# Altium PCB SPG_300.PcbDoc (part 5 of 7)
Units mil, origin at the board's own origin, x right, y up, seen from the top; angles counter-clockwise.
Board outline 7834.65 x 4330.71 mil, 4 copper layers (Top, Route2-SIG, Route3-GND, Bottom), stack 67.156 mil thick; 659 components, 376 nets, 2304 pads, 665 vias.
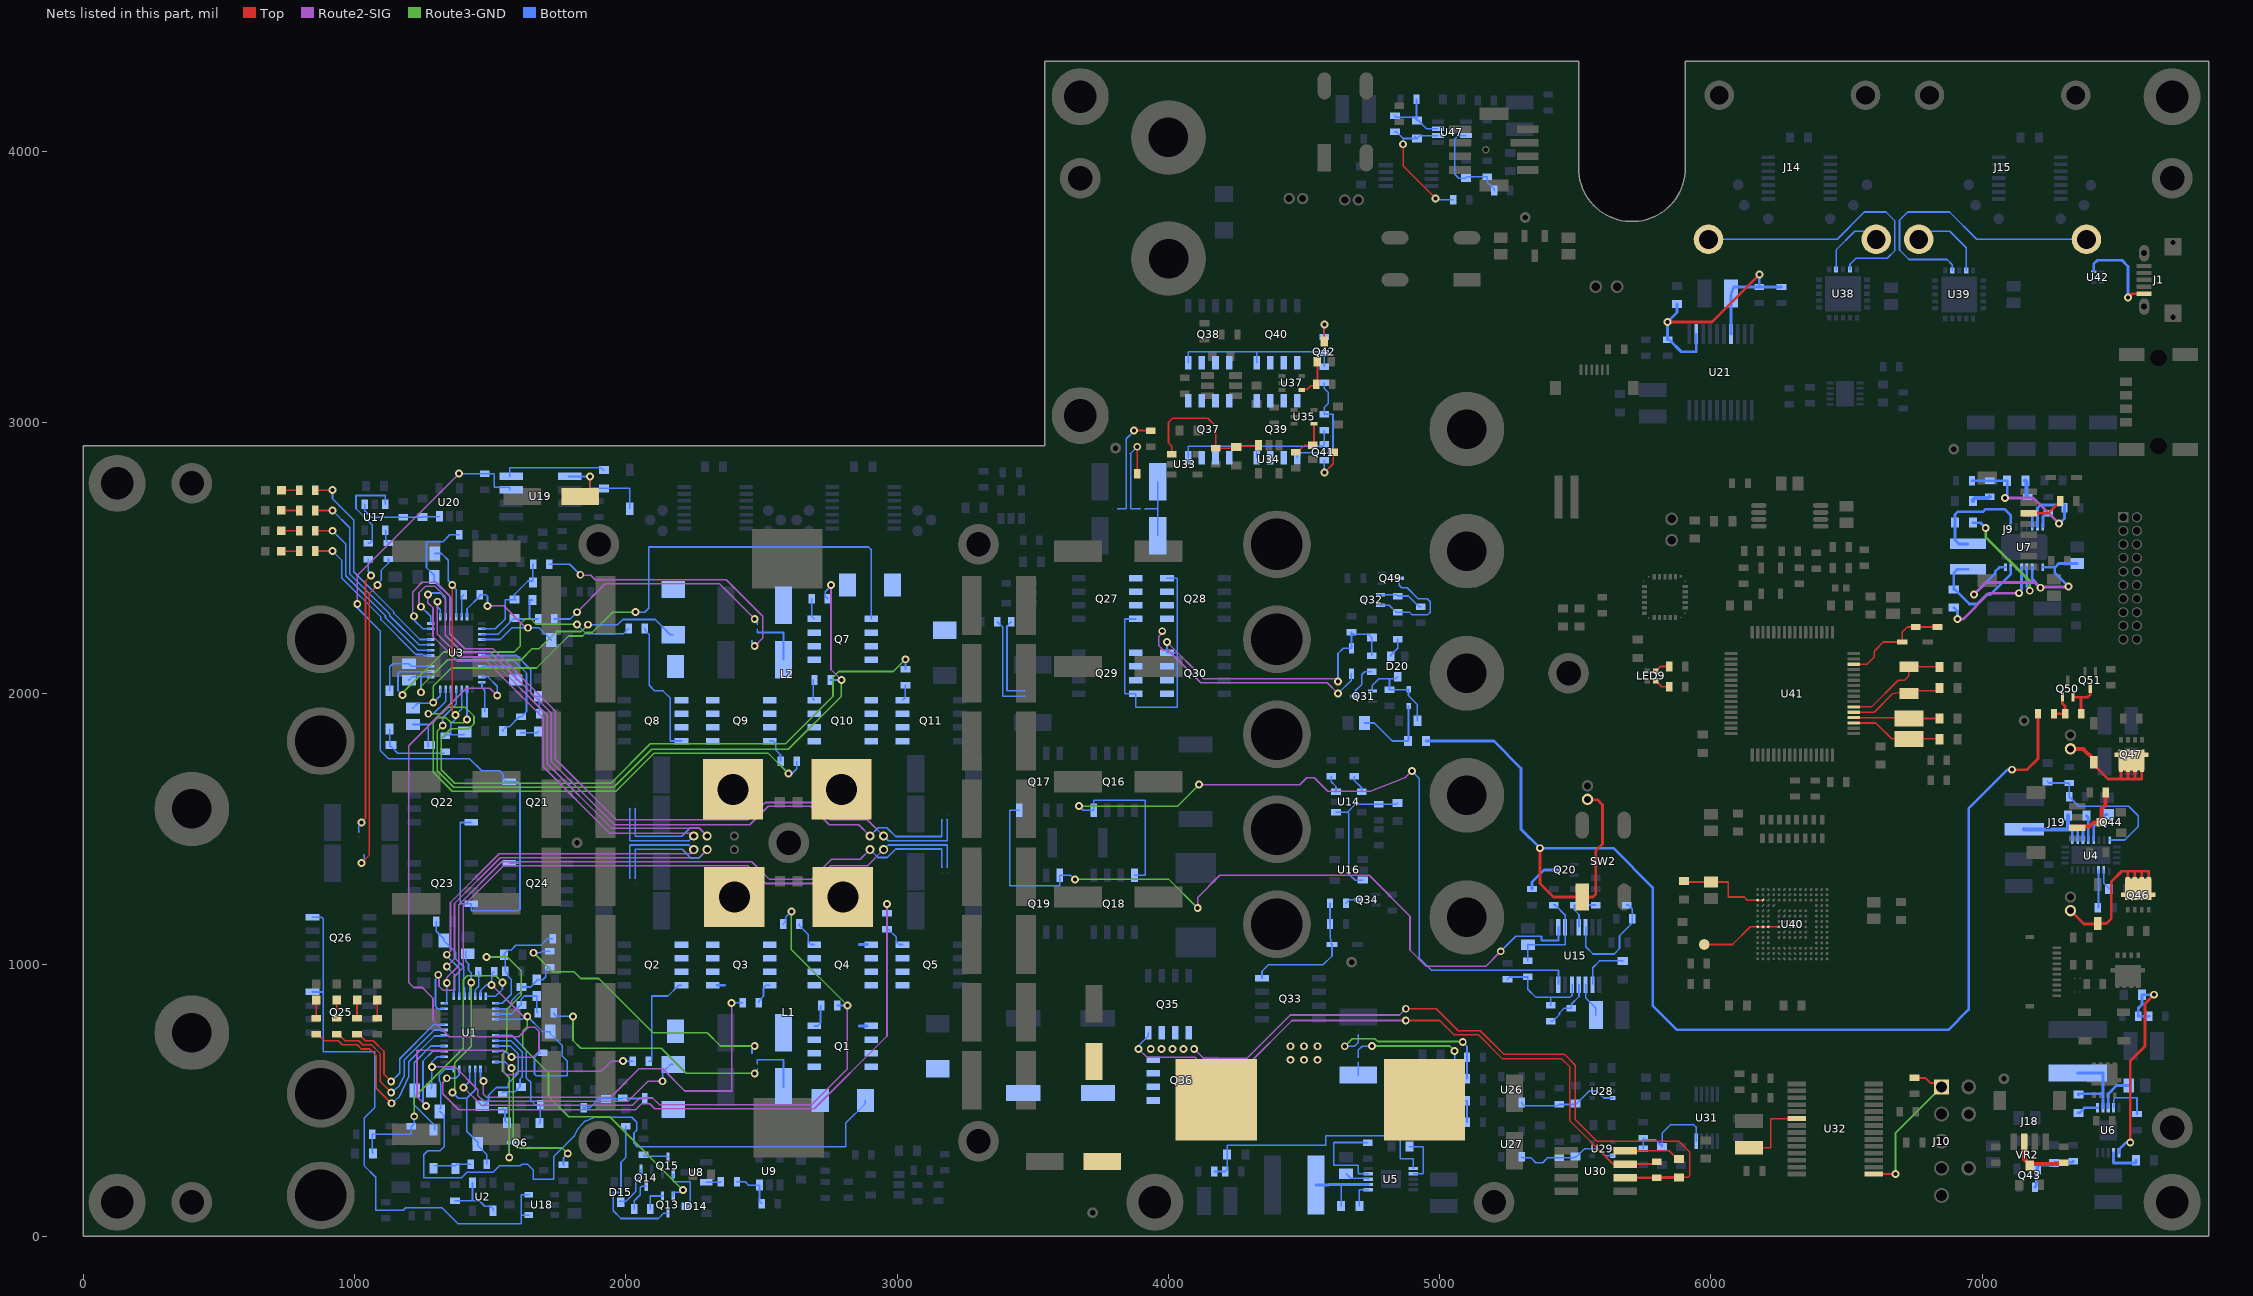
[diagram p7: the nets of this part, all layers, seen from the top]

## Via types
v1: diameter 29, hole 15, Top to Bottom, tented both sides, 469 vias
v2: diameter 29/29/29/29 (per signal layer), hole 15, Top to Bottom, tented both sides, 168 vias
v3: diameter 34/34/34/34 (per signal layer), hole 20, Top to Bottom, 14 vias
v4: diameter 60/52.5/52.5/60 (per signal layer), hole 35, Top to Bottom, 13 vias
v5: diameter 55, hole 35, Top to Bottom, 1 vias

## Nets (pads, with @x,y where several pads share a name; then routed paths per layer and width w, separated by ;. In a path a pad name is that pad's centre, name@x,y a point inside that pad or via, vN(x,y) a via of type N, cw(c..) or ccw(c..) an arc to the next point about the centre after c; other vN are vias at no path point) (continued)
LIDSW: C188.2 J13.2 R227.2 SW2.1 | length 4868.8
  Top w10: v1(5370,1430) 5370,1300 5420,1250 SW2.1@5525,1250 5565,1250 5575,1260 5575,1420 5600,1445 5600,1590 5580.84,1609.16 5545.69,1609.16 J13.2@5544.84,1610 ; v1(7110,1719.37) 7165,1719.37 7205.47,1759.84 R227.2@7205.47,1925.54
  Bottom w10: C188.2@4950.31,1825 5199.53,1825 5300,1724.53 5300,1500 v1(5370,1430) 5640,1430 5785,1285 5785,850 5874.53,760.47 6875.47,760.47 6950,835 6950,1576.54 7092.83,1719.37 v1(7110,1719.37) ; J13.2@5544.84,1610 J13.2@5553.5,1610
MCLK: U1.10 U3.11 | length 2285.6
  Route2-SIG w6: v1(1525.9,1992.52) 1498.54,2019.88 1412.09,2019.88 1200,1807.79 1200,935 1218.58,916.42 1249.63,916.42 1289.23,876.83 1289.23,795.24 1349.47,735 1605,735 1640,770 1665,770 1680,755 1680,682.62 1657.38,660 v2(1578.38,660)
  Bottom w6: U3.11@1469.45,2061.42 1491.81,2061.42 1525.9,2027.32 v1(1525.9,1992.52) ; U1.10@1519.45,681.1 1557.28,681.1 v2(1578.38,660)
MIADJ: C27.1 R33.2 R34.1 U1.38 | length 1123
  Route3-GND w6: v1(1219.84,441.73) 1219.84,512.42 1400.46,693.04 1400.46,945 1415.59,960.12 1519.9,960.12 v2(1545.03,935)
  Bottom w6: C27.1@1068.46,305 1064.53,308.94 R34.1@1064.53,375 1206.08,375 1209.01,377.93 R33.2@1209.01,405.28 1210.53,405.28 1219.84,414.59 v1(1219.84,441.73) ; U1.38@1484.01,883.86 1519.45,883.86 1545.03,909.44 v2(1545.03,935)
MLDO33: C28.1 Q13.2 R20.1 R22.2 U1.4 U1.37 | length 1964.2
  Route2-SIG w6: v2(1505,926.42) 1621.3,810.12 v2(1636.69,810.12)
  Route3-GND w6: v2(1636.69,810.12) 1636.69,771.73 1620,755.03 1620,697.34 1645.65,671.69 1715,602.34 1715,514.65 1789.53,440.12 1940.19,440.12 v1(2209.96,170.35)
  Bottom w6: U1.37@1464.33,883.86 1464.33,904.47 1486.27,926.42 v2(1505,926.42) 1505,965.52 R22.2@1514.48,975 ; U1.4@1519.45,799.21 1619.29,799.21 1630.2,810.12 v2(1636.69,810.12) 1692.81,754 C28.1@1721.49,754 1721.49,748.03 1720.71,747.24 1764.96,702.99 1764.96,664.04 1783.41,645.59 1783.41,591.53 1668.45,591.53 1663,596.98 1663,658.69 1678.83,674.53 R20.1@1684.74,674.53 ; Q13.2@2174.68,148.03 2174.68,158.86 2178.09,162.26 2201.87,162.26 v1(2209.96,170.35)
MSHDN: C19.1 Q6.3 R16.1 R21.2 U1.1 | length 1442.9
  Route3-GND w6: v1(1485.62,1028.74) 1486.54,1029.65 1561.8,1029.65 1614.96,976.5 1614.96,890.08 1560.54,835.66 1560.54,685 1544.42,668.89 1544.42,610 1570.19,584.23 v1(1570.19,290)
  Bottom w6: v1(1485.62,1028.74) 1542.73,1028.74 C19.1@1551.49,1037.5 ; U1.1@1519.45,858.27 1544.27,858.27 1578,892 1578,946 1564.74,959.26 1564.74,965.69 R21.2@1555.43,977 1555.43,1033.56 C19.1@1551.49,1037.5 ; v1(1570.19,290) 1570.19,341.59 1573.6,345 Q6.3@1578.5,345 ; R16.1@1730.47,1095.91 1710.91,1095.91 1686.92,1071.92 1594.61,1071.92 1576.39,1053.7 1563.76,1053.7 1551.49,1041.44 C19.1@1551.49,1037.5
NetC14_1: C14.1 D5.C U1.23 | length 416.3
  Bottom w6: D5.C@1294.96,390.87 1294.96,407.54 1219.45,483.06 1219.45,545 1219.45,639.45 1280.79,700.79 U1.23@1330.47,700.79
NetC14_2: C14.2 D1.A D2.C L1.2 Q2.S1 Q2.S2 Q2.S3 Q3.D1 Q3.D2 Q3.D3 Q3.D4 U1.21 | length 1183.1
  Route2-SIG w6: v1(1285,623.82) 1370.72,623.82 1454.54,540 1454.54,518.12 1475.66,497 2007.68,497 2081.29,570.62 2135,570.62 v1(2135.27,570.89)
  Bottom w6: C14.2@1280.47,545 1285,549.53 v1(1285,623.82) 1285,641.73 1304.68,661.42 U1.21@1330.47,661.42 ; v1(2135.27,570.89) 2135.27,603.68 2164.66,633.07 D2.C@2174.96,633.07
NetC15_1: C15.1 C18.2 R12.2 U1.3 | length 255.8
  Bottom w6: U1.3@1519.45,818.9 1578.38,818.9 1611.02,851.54 C18.2@1614.96,851.54 1614.48,852.01 1614.48,873.8 1625.69,885 C15.1@1671.49,885 1671.49,827.95 R12.2@1675.43,824.02
NetC16_2: C16.2 D3.A D4.C L1.1 Q1.D1 Q1.D2 Q1.D3 Q1.D4 Q4.D1 Q4.D2 Q4.D3 Q4.D4 Q5.S1 Q5.S2 Q5.S3 U1.19 | length 2568.6
  Bottom w6: C16.2@1314.45,460 1329.96,444.49 1329.96,330 1314.96,315 1269.96,315 1254.96,300 1254.96,215 1394.33,215 1414.33,235 1510.39,235 1534.52,259.13 1610.91,259.13 1616.87,265.1 1637.06,265.1 1658.7,243.46 1658.7,209.21 1734.48,209.21 1734.48,293.84 1810.15,369.51 1823.22,395.13 1847.33,422.42 1883.65,438 2022,438 2039.96,420.04 2039.96,390 2030,380.04 2030,342.5 2042.5,330 2809.96,330 2809.96,415.94 2882.99,488.98 D4.C@2882.99,500 ; C16.2@1314.45,470 1317,472.55 1317,563 1312,574.94 1312,594 1334.14,616.14 U1.19@1365.9,616.14
NetC17_1: C17.1 C18.1 R14.1 U1.2 | length 302.7
  Bottom w6: U1.2@1519.45,838.58 1564.96,838.58 1579,852.63 1579,868.58 1606.35,895.93 1614.96,895.93 C18.1@1614.96,918.46 1648.89,918.46 1671.49,941.06 C17.1@1671.49,945 1693.76,945 1704.96,956.2 1704.96,981.16 1714.27,990.47 R14.1@1719.72,990.47
NetC20_1: C20.1 R19.1 U1.34 | length 319.4
  Bottom w6: R19.1@1300.94,1160 1300.94,1123.54 1328.57,1095.91 C20.1@1328.57,1090 1373.06,1045.51 1373.06,1021.94 1402,993 1402,918.37 1405.27,915.1 U1.34@1405.27,883.86
NetC23_1: C23.1 C24.1 R18.1 U1.15 U1.35 | length 1065.8
  Route3-GND w6: v2@1361,530 1361,532.96 1369.71,541.67 1369.71,639.71 1429.96,699.96 v2(1429.96,935)
  Bottom w6: v2(1360.76,530) 1382.67,508.09 1413.05,508.09 ; C24.1@1409.96,1049.49 1409.96,1014.61 1419.96,1004.61 1419.96,980 1429.96,970 v2(1429.96,935) 1424.96,930 U1.35@1424.96,883.86 ; U1.15@1444.64,616.14 1444.64,539.68 1413.05,508.09 ; R18.1@1486.98,265 1486.98,300.61 1453.5,334.09 C23.1@1453.5,340 1453.5,345.91 1413.05,386.36 1413.05,508.09
NetC26_1: C26.1 R35.2 U1.7 | length 439
  Bottom w6: U1.7@1519.45,740.16 1574.33,740.16 1574.48,740 1579,740 1627.53,691.47 1633,681.8 1633,582.91 1648.89,567.01 1648.89,501.32 1665.21,485 R35.2@1684.74,485 1684.74,420.57 C26.1@1680.8,416.63
NetC29_1: C29.1 U1.9 | length 371.8
  Bottom w6: C29.1@1470.63,480.51 1476.53,480.51 1493.72,497.7 1493.72,519.33 1522.27,547.88 1566.91,547.88 1566.91,563.03 1603.5,599.62 1603.5,671.5 1574.21,700.79 U1.9@1519.45,700.79
NetC30_1: C30.1 R30.1 | length 59.6
  Bottom w6: R30.1@1545.03,470.47 1554.34,461.16 1554.34,425.57 C30.1@1562,417.9
NetC31_1: C31.1 R30.2 U1.8 | length 321.5
  Bottom w6: U1.8@1519.45,720.47 1576.53,720.47 1618.42,678.58 1618.42,587.46 1609.96,579 1609.96,550.59 1591.37,532 1547.5,532 R30.2@1545.03,529.53
NetC47_1: C47.1 C51.2 R50.2 U3.3 | length 318
  Bottom w6: U3.3@1469.45,2218.9 1528.73,2218.9 C51.2@1589.37,2279.51 ; C51.2@1589.37,2279.51 1589.37,2275 1645,2275 ; C47.1@1656.54,2345 1645,2345 1645,2275 ; R50.2@1676.3,2275 1645,2275
NetC48_1: C48.1 D11.C U3.23 | length 248.3
  Bottom w6: D11.C@1129.13,2010.87 1129.13,2099.13 1140.51,2110.51 C48.1@1200,2110.51 1209.72,2100.79 U3.23@1280.47,2100.79
NetC48_2: C48.2 D8.A D9.C L2.1 Q8.S1 Q8.S2 Q8.S3 Q9.D1 Q9.D2 Q9.D3 Q9.D4 U3.21 | length 1218.4
  Route3-GND w6: v1(1245,2005) 1245,2026.4 1343.6,2125 1614.02,2125 1654.02,2165 1680,2165 1744,2229 1835.84,2229 v1(1860.76,2253.92)
  Bottom w6: C48.2@1200,2049.49 1211.93,2061.42 1245,2061.42 ; v1(1245,2005) 1245,2061.42 ; U3.21@1280.47,2061.42 1245,2061.42 ; v1(1860.76,2253.92) 1969.15,2253.92 1988.23,2273 2108.26,2273 2163.93,2217.32 D9.C@2174.96,2217.32
NetC49_1: C49.1 C51.1 R51.2 U3.2 | length 382.5
  Bottom w6: U3.2@1469.45,2238.58 1519.01,2238.58 1555.43,2275 1555.43,2346.47 C51.1@1589.37,2346.47 ; C51.1@1595.69,2346.47 C51.1@1589.37,2346.47 ; R51.2@1658.7,2477.13 1656.54,2474.96 1656.54,2415 1639,2415 1589.37,2365.37 C51.1@1589.37,2346.47
NetC50_1: C50.1 D12.C U3.17 | length 304.5
  Bottom w6: C50.1@1215.51,1886.06 1270.87,1886.06 ; D12.C@1270.87,1805 1270.87,1886.06 ; U3.17@1355.27,2016.14 1355.27,1965.27 1276.06,1886.06 1270.87,1886.06
NetC50_2: C50.2 D7.C D10.A L2.2 Q7.D1 Q7.D2 Q7.D3 Q7.D4 Q10.D1 Q10.D2 Q10.D3 Q10.D4 Q11.S1 Q11.S2 Q11.S3 U3.19 | length 2422.9
  Route3-GND w6: v1(1290,1966.48) 1290,2028 1356.29,2094.29 1670.55,2094.29 1788.64,2212.38 1840.38,2212.38 1853,2225 1875.87,2225 1951.22,2300.35 v1(2035,2300.35)
  Bottom w6: C50.2@1215.51,1947.09 1232.69,1964.27 1287.79,1964.27 v1(1290,1966.48) 1315.9,1992.39 U3.19@1315.9,2016.14 ; v1(2035,2300.35) 2070.07,2300.35 2084.48,2314.76 2084.48,2540.24 2894.71,2540.24 2905.08,2529.87 Q7.D1@2905.08,2275
NetC53_1: C53.1 R54.1 U3.34 | length 444.4
  Bottom w6: U3.34@1355.27,2283.86 1355.27,2352.81 1293.97,2414.11 C53.1@1293.97,2430 1293.97,2435.91 1265,2464.88 1265,2560 1325.75,2560 1350.75,2585 R54.1@1385.47,2585
NetC56_1: C56.1 C57.1 R53.1 U3.15 U3.35 | length 1031.6
  Top w6: v1(1360,2400) 1360,1933.05 v1(1372.2,1920.85)
  Bottom w6: C57.1@1295.51,2516.5 1320.43,2516.5 1345,2491.93 1345,2416.11 1360,2401.11 v1(1360,2400) 1360,2398.8 1374.96,2383.84 U3.35@1374.96,2283.86 ; R53.1@1329.31,1839.53 R53.1@1334.31,1844.53 R53.1@1338.62,1848.84 ; R53.1@1334.31,1848.84 R53.1@1338.62,1848.84 ; U3.15@1394.64,2016.14 1394.64,1943.29 v1(1372.2,1920.85) 1372.2,1905.71 1354.96,1888.47 1354.96,1848.88 1355,1848.84 ; C56.1@1403.95,1850.51 1402.28,1848.84 1355,1848.84 ; R53.1@1338.62,1848.84 1355,1848.84
NetC59_1: C59.1 R64.2 U3.7 | length 387.1
  Bottom w6: U3.7@1469.45,2140.16 1597.24,2140.16 1649,2088.4 1649,2000.96 1659.96,1990 C59.1@1676.54,1990 1680.47,1986.06 R64.2@1680.47,1925
NetC60_1: C60.1 U15.11 | length 128.3
  Bottom w6: U15.11@5538.56,927.87 5538.56,877.81 5575.79,840.59 C60.1@5575.79,815
NetC61_1: C61.1 R56.2 U3.4 U3.37 | length 642.3
  Route2-SIG w6: v1(1490,2323.43) 1549.65,2323.43 1630.44,2242.63 v1(1639.56,2242.63)
  Bottom w6: U3.37@1414.33,2283.86 1414.33,2312.09 1461.33,2359.09 R56.2@1461.33,2365 1484.09,2365 1490,2359.09 v1(1490,2323.43) ; U3.4@1469.45,2199.21 1537.16,2199.21 1580.58,2242.63 1679.67,2242.63 1724.49,2197.81 C61.1@1724.49,2197.5
NetC62_1: C62.1 U3.9 | length 164.7
  Bottom w6: U3.9@1469.45,2100.79 1575.67,2100.79 1594.25,2082.21 C62.1@1594.25,2050.04
NetC63_1: C63.1 R62.1 | length 65.2
  Bottom w6: R62.1@1613.26,1855.47 1672.01,1855.47 C63.1@1676.54,1860
NetC64_1: C64.1 R62.2 U3.8 | length 443.9
  Bottom w6: U3.8@1469.45,2120.47 1588.78,2120.47 1633.71,2075.55 1633.71,1932.83 1615.41,1914.53 R62.2@1613.26,1914.53 1607.35,1914.53 1571.03,1878.21 1559.27,1878.21 1547,1865.94 C64.1@1547,1862.01
NetC65_1: C65.1 U5.1 | length 93.6
  Bottom w6: C65.1@4703.46,110.65 4703.46,170.63 U5.1@4737.13,170.63
NetC65_2: C65.2 L3.1 U5.2 | length 273.9
  Bottom w6: C65.2@4636.54,110.65 4636.54,190.31 4640,190.31
  Bottom w10: L3.1@4543.74,188.39 4590.24,188.39 4592.17,190.31 4636.54,190.31
  Bottom w12: 4640,190.31 U5.2@4737.13,190.31
NetC66_1: C66.1 U4.16 | length 93.1
  Bottom w10: C66.1@7383.46,1550 7391.16,1542.31 U4.16@7391.16,1460.12
NetC66_2: C66.2 I1.1 U4.13 U4.14 U4.15 | length 387.6
  Bottom w10: U4.13@7332.1,1460.12 7332.1,1499.53 7332.1,1500 ; U4.14@7351.79,1460.12 7351.79,1499.53 7352.26,1500 7371.47,1500 U4.15@7371.47,1460.12
  Bottom w15: I1.1@7154.11,1499.88 7154.46,1499.53 7317.06,1499.53 ; C66.2@7316.54,1550 7316.54,1500.05 7317.06,1499.53 ; 7351.79,1499.53 7332.1,1499.53 7317.06,1499.53
NetC69_2: C69.2 R67.1 R69.2 U4.20 | length 582.5
  Bottom w6: C69.2@7240,1676.54 7246.06,1670.47 R67.1@7320,1670.47 7320.47,1670 R69.2@7320.47,1620 7355.47,1585 7540.04,1585 7575.04,1550 7575.04,1510 7525.16,1460.12 U4.20@7469.9,1460.12
NetC72_1: C72.1 U4.2 | length 77.9
  Bottom w6: U4.2@7448.24,1349.88 7448.24,1301.76 7466.54,1283.46 C72.1@7466.54,1279.53
NetC73_1: C73.1 U4.17 | length 118.2
  Bottom w10: U4.17@7410.84,1460.12 7410.84,1511.24 7454.09,1554.49 C73.1@7460,1554.49
NetC74_1: C74.1 R68.2 R71.2 U5.6 | length 981.7
  Bottom w6: R71.2@4169.53,238.31 R68.2@4209.69,238.31 4216.49,245.11 C74.1@4216.49,300.47 4216.49,335 4580,335 4580,370 4855,370 4855,285 4902.87,285 U5.6@4902.87,249.37
NetC77_1: C77.1 U5.3 | length 90.5
  Bottom w6: C77.1@4655,230.32 4672.19,213.13 4733.99,213.13 U5.3@4737.13,210
NetC78_1: C78.1 U6.1 | length 77.6
  Bottom w10: C78.1@7355,454.61 7358.94,454.61 7377.2,472.87 U6.1@7425,472.87
NetC78_2: C78.2 L4.1 U6.2 | length 316.6
  Bottom w10: L4.1@7351.79,601.26 7444.69,601.26 7444.69,525 ; C78.2@7356.54,520 C78.2@7355,521.54 7355,525 7444.69,525 ; U6.2@7444.69,472.87 7444.69,525
NetC79_1: C79.1 R73.2 R74.2 U6.6 | length 816.8
  Top w10: v1(7545.51,344.53) 7545.51,645.51 7600,700 7600,856.54 v1(7633.46,890)
  Bottom w10: U6.6@7503.74,307.13 7503.74,318.62 7529.65,344.53 v1(7545.51,344.53) ; R74.2@7615.47,810.12 R73.2@7575.04,810.12 7575.04,840.04 7588.46,853.46 C79.1@7588.46,890 v1(7633.46,890)
NetC82_1: C82.1 U6.3 | length 139.6
  Bottom w10: U6.3@7464.37,472.87 7464.37,524.37 7495,555 C82.1@7539.8,555
NetC83_1: C83.1 L5.1 U7.15 | length 422.2
  Bottom w10: L5.1@6947.6,2458.35 6909.29,2458.35 6895,2444.06 C83.1@6895,2383.46 6898.94,2383.46 6952.4,2330 6980.47,2330 7015.47,2365 7030,2365 7105.41,2440.41 U7.15@7105.39,2465.2
NetC83_2: C83.2 U7.13 | length 412.5
  Route2-SIG w10: v1(6908.46,2275) 6930.47,2275 7025.47,2370 v1(7135.47,2370)
  Bottom w10: C83.2@6895,2316.54 6908.46,2303.07 v1(6908.46,2275) ; v1(7135.47,2370) 7135.47,2375.14 7144.76,2384.42 U7.13@7144.76,2465.2
NetC84_1: C84.1 L5.2 U7.2 | length 414.2
  Bottom w10: L5.2@6947.6,2551.65 6913.43,2551.65 6899.13,2565.94 C84.1@6899.13,2630 6899.13,2660 6909.13,2670 7002.6,2670 7012.6,2680 7081.54,2680 7105.39,2656.15 U7.2@7105.39,2614.8
NetC84_2: C84.2 U7.12 | length 443.5
  Route3-GND w10: v1(7012.6,2610) 7012.6,2577.4 7175,2415 v1(7175,2379.06)
  Bottom w10: C84.2@6966.06,2630 6992.6,2630 v1(7012.6,2610) ; U7.12@7164.44,2465.2 7164.48,2412.57 7164.48,2394.71 7175,2384.2 v1(7175,2379.06)
NetC95_2: C95.2 R80.2 | length 70.2
  Bottom w15: C95.2@6966.06,2710 6966.06,2713.9 6973.33,2721.16 7023.29,2721.16 R80.2@7027.6,2725.47
NetC96_1: C96.1 R79.1 R80.1 R82.2 U7.7 | length 685.2
  Route2-SIG w10: v1(7084.13,2721.16) 7188.84,2721.16 v1(7283.46,2626.54)
  Bottom w10: R79.1@6962.13,2785 6962.6,2784.53 R80.1@7027.6,2784.53 C96.1@7091.61,2784.53 7091.61,2728.63 v1(7084.13,2721.16) ; U7.7@7203.81,2614.8 7203.81,2684.5 7214.31,2695 7303.56,2695 7303.56,2684.99 R82.2@7303.07,2684.5 7303.07,2646.14 v1(7283.46,2626.54)
NetC96_2: C96.2 R78.1 | length 63.9
  Bottom w15: C96.2@7158.54,2784.53 7163.07,2780 7163.07,2728.84 7167.38,2724.53 R78.1@7167.6,2724.53
NetC97_1: C97.1 U7.9 U7.11 U7.16 | length 848.9
  Route2-SIG w10: v1(6970,2365) 7014.65,2409.65 7192.93,2409.65 7212.59,2390 v1(7214.31,2390) 7216.81,2392.5 7315.1,2392.5 v1(7317.6,2395)
  Bottom w10: v1(6970,2365) 7047.6,2442.6 7047.6,2450 7062.8,2465.2 U7.16@7085.7,2465.2 ; U7.11@7184.13,2465.2 7184.17,2421.34 7214.31,2391.2 v1(7214.31,2390) ; U7.9@7223.5,2465.2 7267.6,2465.2 ; v1(7317.6,2395) 7267.6,2445 7267.6,2465.2 ; C97.1@7350,2479.49 7281.89,2479.49 7267.6,2465.2
NetC98_1: C98.1 C115.1 D18.C U19.1 | length 455.6
  Top w6: C98.1@1831.3,2726.92 1868.46,2726.92 v1(1868.46,2800)
  Bottom w6: U19.1@1788.74,2800 v1(1868.46,2800) 1868.46,2756.25 C115.1@1920,2756.52 2014.96,2756.52 D18.C@2014.96,2681.1
NetC101_1: C101.1 R76.1 R77.2 VR2.4 | length 217.9
  Bottom w10: R76.1@7194.53,180.35 7199.15,184.98 7199.15,243.13 VR2.4@7203.78,247.76 7203.78,254.45 7211.77,262.44 7258.39,262.44 C101.1@7265,269.06 7268.21,272.26 7331.79,272.26 R77.2@7335,275.47
NetC104_1: C104.1 D13.C R86.1 R90.1 | length 252.8
  Bottom w6: R86.1@1848.71,467.22 1841.92,474 R86.1@1844.53,474 1869,474 1901.22,506.22 C104.1@1927,506.22 1984.06,506.22 R90.1@1988,510.16 2012.29,507.24 D13.C@2070,507.24
NetC111_1: C111.1 R99.2 U14.1 U16.3 | length 533.3
  Bottom w6: U14.1@4617.76,1563.11 4660,1563.11 ; U16.3@4716.77,1313.07 4715.39,1311.69 4688.33,1311.69 4665,1335.02 4665,1558.11 4660,1563.11 ; C111.1@4845,1596.57 4841.06,1592.64 R99.2@4775,1592.64 4689.53,1592.64 4660,1563.11
NetC112_1: C112.1 R104.2 R107.1 U15.3 | length 365.2
  Bottom w6: R107.1@5325,1014.53 C112.1@5325,1074.49 5462.97,1074.49 5462.97,1140.47 5462.97,1183.41 5425.91,1220.47 R104.2@5420,1220.47
NetC113_1: C113.1 D17.C D20.3 Q31.1 R125.2 | length 368
  Bottom w6: Q31.1@4751.5,2009.68 4751.5,2030 4776.5,2055 4815,2055 ; D20.3@4845,2062.6 4837.4,2055 4815,2055 ; C113.1@4917.56,1900 4917.56,1959.44 4885,1992 D17.C@4885,2016.1 4883.43,2014.53 R125.2@4815,2014.53 4815,2055
NetC114_1: C114.1 U15.10 | length 183.6
  Bottom w6: U15.10@5563.76,927.87 5563.76,989.33 5588.96,1014.53 5673.94,1014.53 C114.1@5675,1013.46
NetC115_2: C115.2 U19.8 | length 382.1
  Bottom w6: U19.8@1572.2,2800 1572.2,2832 1905.49,2832 C115.2@1920,2823.44
NetC118_1: C118.1 R116.2 U17.1 U20.3 | length 309.9
  Bottom w6: U17.1@1037.6,2697.24 1037.6,2674.4 1061.53,2650.47 R116.2@1180,2650.47 1248.94,2650.47 C118.1@1250,2651.54 1312.6,2651.54 U20.3@1312.6,2653.23
NetC119_1: C119.1 C123.1 R133.2 R134.2 R135.2 U21.12 U21.17 | length 1142.2
  Top w10: v1(5840,3370) 6003.25,3370 v1(6178.25,3545)
  Bottom w10: C123.1@5875,3435.85 5875,3405 v1(5840,3370) R135.2@5840,3304.53 5845.91,3304.53 5890.43,3260 5945.43,3260 U21.12@5945.43,3324.59 ; U21.17@6073.39,3325.75 6073.39,3464.32 C119.1@6074.21,3475 6084.21,3498.84 R133.2@6178.46,3498.84 ; v1(6178.25,3545) 6178.25,3499.06 R133.2@6178.46,3498.84 ; R134.2@6260,3498.84 R133.2@6178.46,3498.84
NetC120_2: C120.2 D19.A Q27.G Q28.G Q29.G Q30.G R120.1 R122.2 | length 2211.5
  Route2-SIG w6: v1(3995,2190) 4130,2055 4614.88,2055 v1@4629.88,2040
  Bottom w6: Q27.G@3880.08,2275 3839.55,2275 3839.55,2000 Q29.G@3880.08,2000 3880.08,1950 4032,1950 4032,2425 Q28.G@3994.84,2425 ; v1(3995,2190) 3994.84,2189.84 Q30.G@3994.84,2150 4030,2150 ; v1(4625,2045) 4625,2148.11 4644.13,2167.24 D19.A@4675,2167.24 R120.1@4675,2225.47 4681.67,2218.8 4737.74,2218.8 C120.2@4750,2206.54 R122.2@4750,2139.53
NetC124_1: C124.1 D22.A D23.C L6.1 Q35.S1 Q35.S2 Q35.S3 Q36.D1 Q36.D2 Q36.D3 Q36.D4 R161.1 U30.6 | length 2580.8
  Top w6: v1(4875,838.22) 4986.9,838.22 5068.12,757 5149.92,757 5236.92,670 5460,670 5500,630 5500,430 5580,350 5881.42,350 5921.42,310 5921.42,223.74 5914.21,216.54 C124.1@5882.05,216.54
  Top w10: U30.6@5683.27,215 5683.5,215.24 5799.76,215.24 R161.1@5800,215.47 5800.53,216 5881.52,216 C124.1@5882.05,216.54
  Route2-SIG w6: v2(4094.96,690) 4129.96,655 4288.6,655 4448.6,815 4851.78,815 v1(4875,838.22)
  other v2: 3934.96,690 3974.96,690 4014.96,690 4054.96,690
NetC124_2: C124.2 U30.8 | length 211.8
  Top w6: U30.8@5683.27,315 5846.57,315 5878.11,283.46 C124.2@5882.05,283.46
NetC132_1: C132.1 R155.2 U27.1 U29.3 | length 377.4
  Bottom w6: U27.1@5302.4,292.28 5302.4,288.84 5336.16,288.84 5354,271 5380,271 5398.57,289.57 R155.2@5440,289.57 5496.81,289.57 C132.1@5500,292.76 5503.94,292.76 5532.72,321.54 5585,321.54 5610.59,295.94 U29.3@5637.4,295.94
NetC135_1: C135.1 R156.2 U26.1 U28.3 | length 376
  Bottom w6: U26.1@5302.4,492.76 5302.4,488.81 5311.21,480 5434.53,480 R156.2@5440,485.47 5497.4,485.47 C135.1@5500,488.07 5503.94,488.07 5550.87,535 5580,535 5605.59,509.41 U28.3@5637.4,509.41
NetC136_1: C136.1 U32.20 | length 283.3
  Top w6: C136.1@6140,325.79 6220,326.02 6220,433.39 U32.20@6315.97,433.39
NetC137_2: C137.2 C138.1 L6.2 NT17.1 R162.1 | length 46.3
  Bottom w6: R162.1@4700,593.7 NT17.1@4700,640
  other v2: 4449.96,650 4499.96,650 4549.96,650 4449.96,700 4499.96,700 4549.96,700
NetC144_1: C144.1 R164.1 R165.2 U31.5 | length 364.2
  Bottom w6: R165.2@5750,322.28 R164.1@5750,360.47 5755.24,355.23 5794.18,355.23 C144.1@5820,329.41 5820,380 5850,410 5937.12,410 5945.63,401.49 U31.5@5945.63,350.51
NetC146_1: C146.1 C171.1 U40.*VDDM | length 354.9
  Top w6: C171.1@5900,1308.46 5900,1305.51 C146.1@6000,1305.51 6062.99,1305.51 6062.99,1250 6122.74,1250 6134.16,1238.58 U40.*VDDM@6172.05,1238.58 U40.*VDDM@6191.73,1238.58
NetC150_1: C150.1 R180.2 U33.1 U34.3 | length 559.1
  Top w6: U33.1@4012.76,2882.4 4012.76,2912.24 4000.47,2924.53 4000.47,3000.47 4015,3015 4145,3015 4175,2985 R180.2@4175,2904.53 4246.06,2904.53 C150.1@4250,2908.46 4250,2911.77 U34.3@4332.6,2911.77
NetC173_1: C173.1 U41.3 XTAL1.2 | length 340
  Top w6: U41.3@6526.38,1891.73 6607.8,1891.73 6666.18,1833.35 XTAL1.2@6729.53,1833.35 6839.88,1833.35 C173.1@6841.54,1831.69
NetC174_1: C174.1 U41.4 XTAL1.1 | length 316.5
  Top w6: U41.4@6526.38,1911.42 6726.26,1911.42 XTAL1.1@6729.53,1908.15 C174.1@6841.54,1908.15
NetC175_1: C175.1 U41.5 XTAL2.2 | length 344.5
  Top w6: U41.5@6526.38,1931.1 6601.57,1931.1 6670.47,2000 6729.53,2009.84 C175.1@6841.54,2009.84
NetC176_1: C176.1 U41.6 XTAL2.1 | length 395.8
  Top w6: U41.6@6526.38,1950.79 6591.73,1950.79 6690.16,2049.21 6713.58,2049.21 6729.53,2065.16 XTAL2.1@6729.53,2098.43 C176.1@6841.54,2098.43
NetC183_1: C183.1 R210.1 R214.2 U47.3 | length 367.3
  Bottom w6: U47.3@5096.57,4056.73 5079.98,4056.73 5079.98,4056.59 5079.83,4056.73 5067.2,4056.73 5055,4044.53 5055,3914.53 5070,3899.53 5095.04,3899.53 C183.1@5096.57,3901.06 5100.51,3905 R214.2@5175,3905 5175,3884.19 5181.46,3877.73 5183.18,3877.73 5200.47,3860.43 R210.1@5200.47,3854.53
NetC184_1: C184.1 U5.7 | length 189
  Bottom w6: C184.1@4888.46,330 4940,330 4940,229.69 U5.7@4902.87,229.69
NetC185_1: C185.1 U6.7 | length 129.6
  Bottom w10: U6.7@7484.06,307.13 7484.06,270 7566.54,270 C185.1@7566.54,280
NetC187_1: C187.1 R216.1 R220.2 U47.7 | length 253.2